# Altium PCB OZ440-SE100-CAR003.PcbDoc (part 4 of 5)
Units mm, origin at the board's own origin, x right, y up, seen from the top; angles counter-clockwise.
Board outline 187.5 x 145 mm, 6 copper layers (Top Layer, Mid-Layer 1, Mid-Layer 2, Mid-Layer 3, Mid-Layer 4, Bottom Layer), stack 1.444 mm thick; 326 components, 302 nets, 1483 pads, 1041 vias.
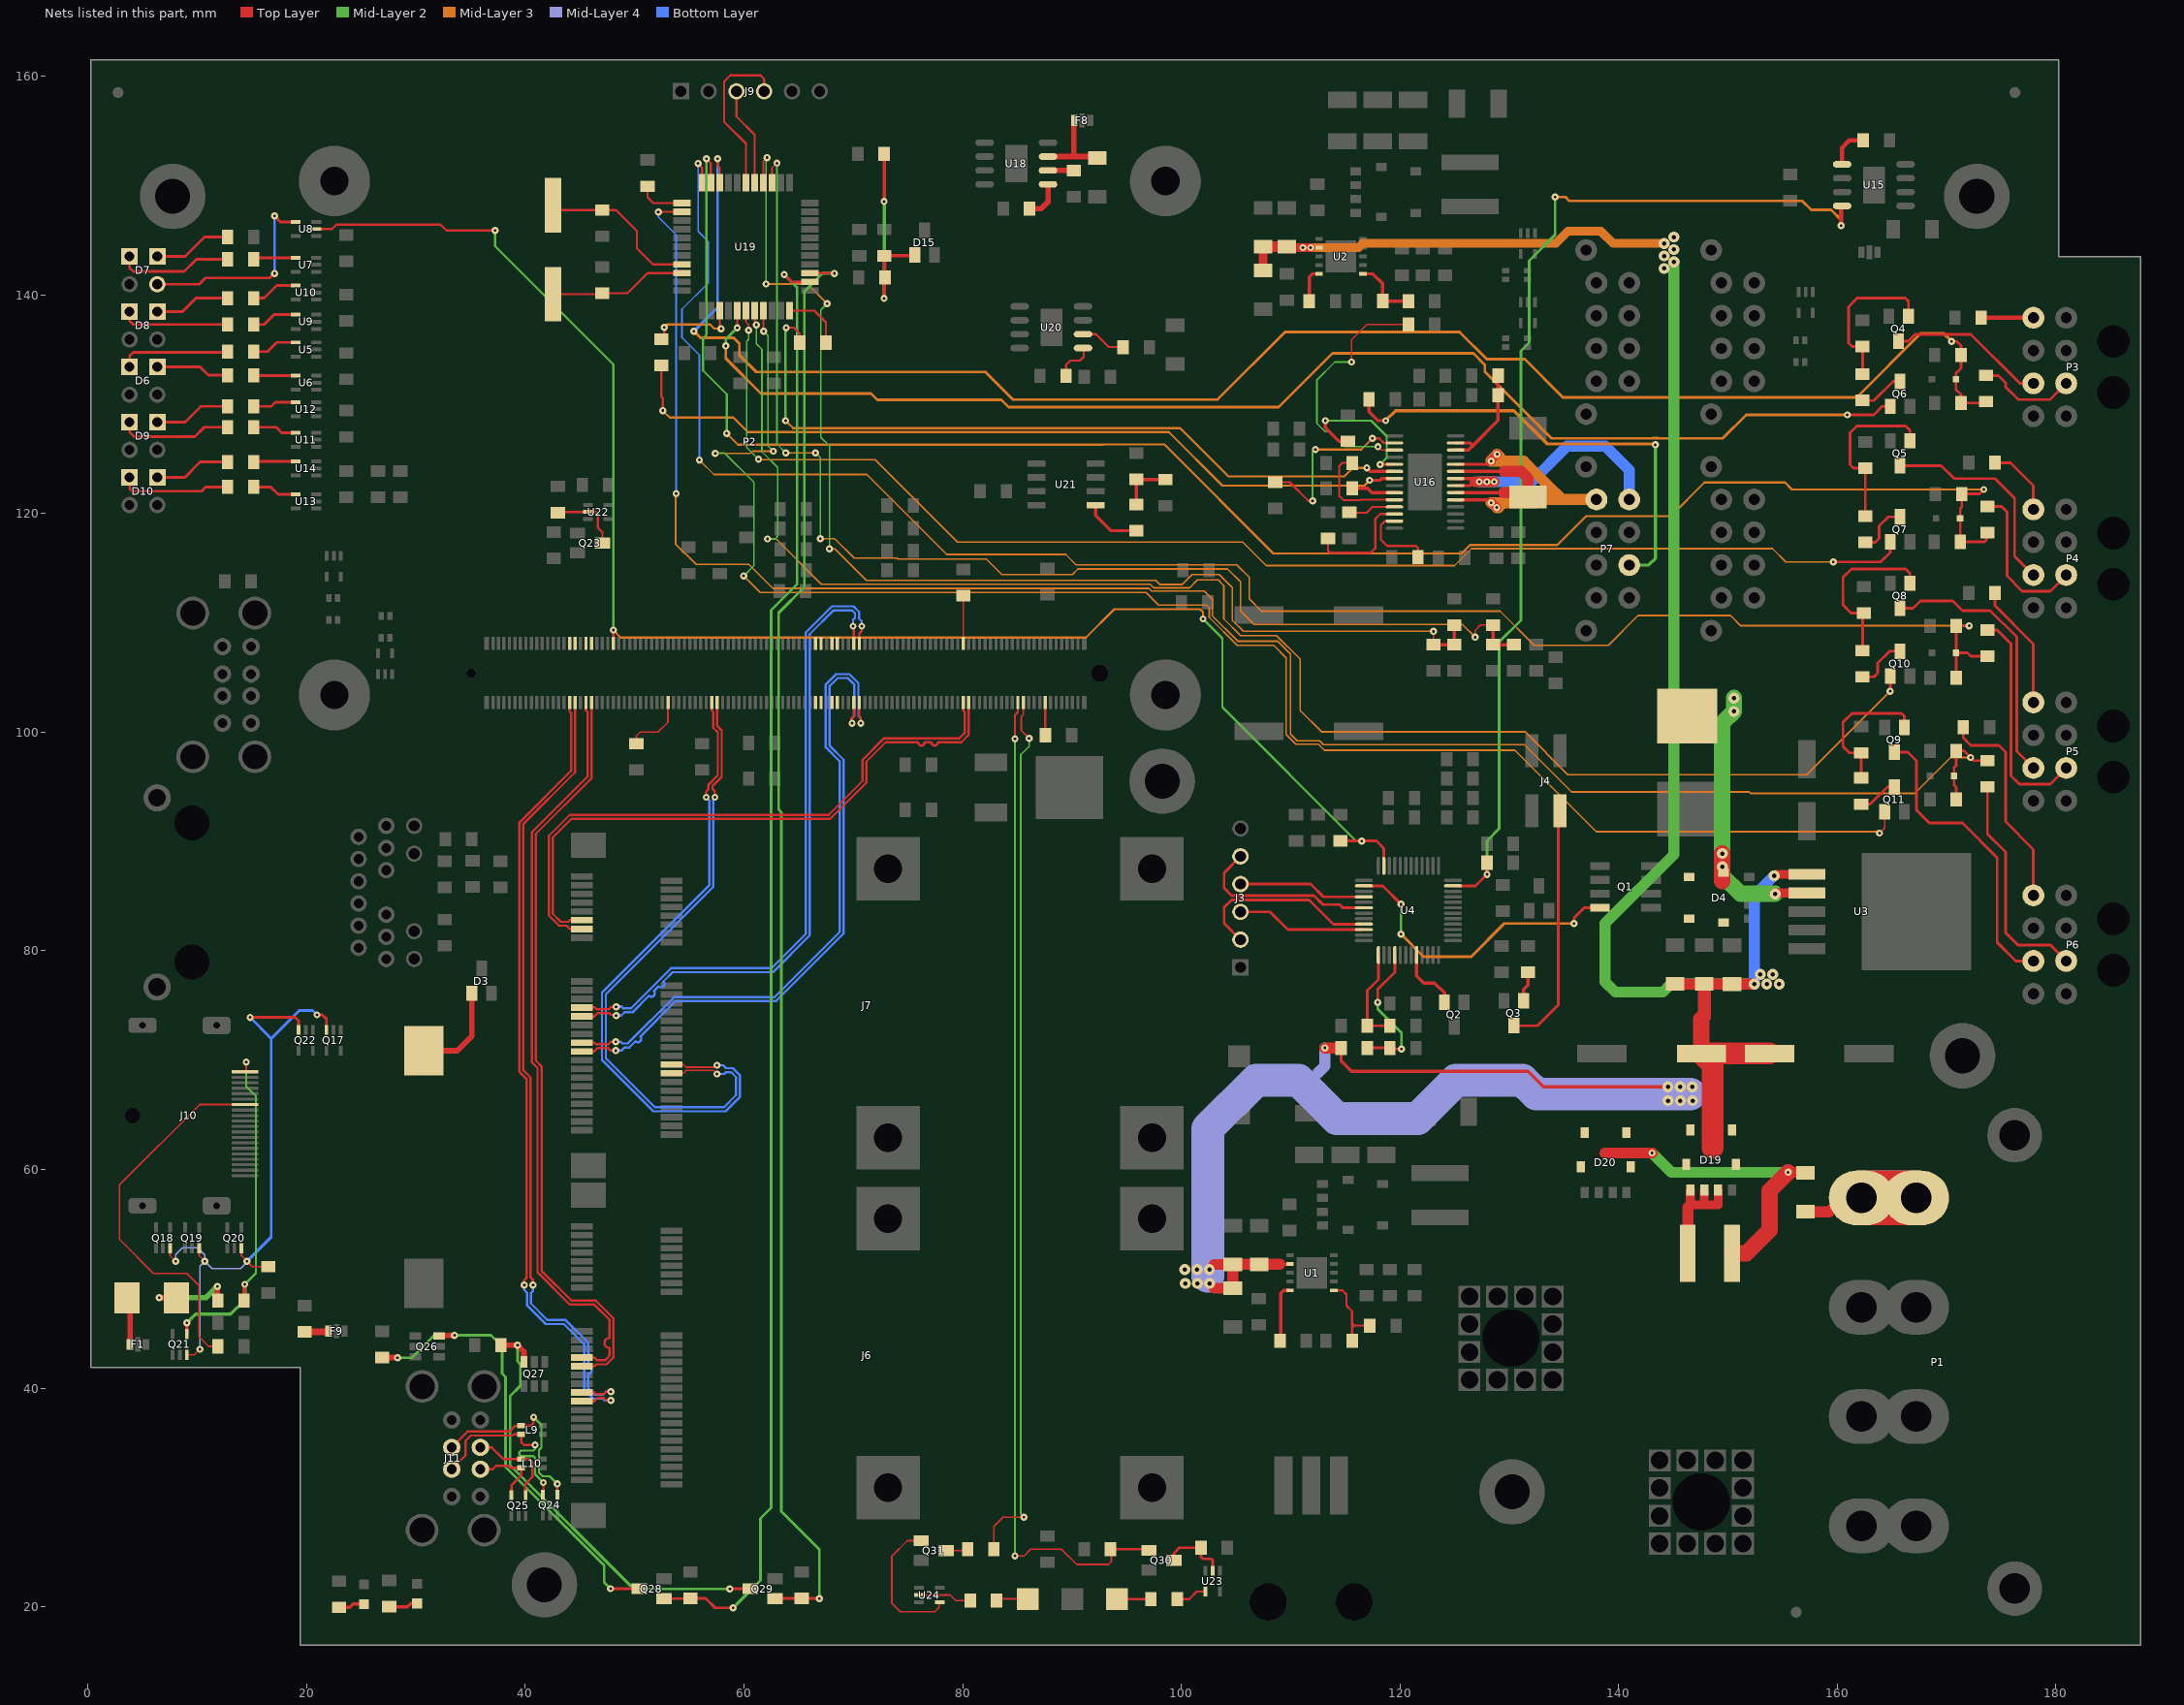
[diagram p8: the nets of this part, all layers, seen from the top]

## Via types
v1: diameter 0.65, hole 0.25, Top Layer to Bottom Layer, tented both sides, 815 vias
v2: diameter 1, hole 0.4, Top Layer to Bottom Layer, tented both sides, 222 vias
v3: diameter 1.1, hole 1.1, Top Layer to Bottom Layer, tented both sides, 2 vias
v4: diameter 1.6, hole 1.6, Top Layer to Bottom Layer, tented both sides, 2 vias

## Nets (pads, with @x,y where several pads share a name; then routed paths per layer and width w, separated by ;. In a path a pad name is that pad's centre, name@x,y a point inside that pad or via, vN(x,y) a via of type N, cw(c..) or ccw(c..) an arc to the next point about the centre after c; other vN are vias at no path point) (continued)
NetC52_2: C52.2 R77.1 R79.2 U19.15 | length 109.2
  Top Layer w0.15: U19.15@61.779,150.249 61.779,152.228 v1(62.103,152.552) ; v1(123.063,109.22) 123.064,109.219 C52.2@123.064,108.007
  Top Layer w0.3: C52.2@123.064,108.007 R79.2@124.969,108.007 R77.1@124.969,109.798
  Mid-Layer 2 w0.15: v1(62.027,140.995) 62.027,152.476 v1(62.103,152.552) ; v1(67.615,139.192) 67.031,138.608 67.031,126.975 67.818,126.187 v1(67.818,116.764)
  Mid-Layer 3 w0.15: v1(62.027,140.995) 65.811,140.995 v1(67.615,139.192) ; v1(67.818,116.764) 68.326,116.764 71.196,113.894 97.663,113.894 98.054,113.503 100.066,113.503 100.99,114.427 103.48,114.427 104.673,113.233 104.673,110.236 105.689,109.22 v1(123.063,109.22)
NetC53_2: C53.2 R78.1 R80.2 U19.14 | length 111.3
  Top Layer w0.15: U19.14@62.579,150.249 62.579,151.631 62.992,152.044 v1(63.017,152.044) ; v1(126.873,108.687) 126.873,109.296 127.375,109.798 R78.1@128.509,109.798
  Top Layer w0.3: R78.1@128.509,109.798 R80.2@128.509,108.007 C53.2@130.414,108.007
  Mid-Layer 2 w0.15: v1(63.017,152.044) 63.017,126.365 v1(63.83,125.552) ; v1(66.548,125.552) 66.98,125.12 v1(66.98,117.704)
  Mid-Layer 3 w0.15: v1(63.83,125.552) v1(66.548,125.552) ; v1(66.98,117.704) 68.301,117.704 70.079,115.926 73.99,115.926 74.066,115.849 82.169,115.849 83.591,114.427 90.043,114.427 90.551,114.935 104.216,114.935 105.41,113.741 105.41,111.1 106.655,109.855 125.705,109.855 v1(126.873,108.687)
NetC56_2: C56.2 F8.1 U18.7 | length 8
  Top Layer w0.5: U18.7@87.816,152.654 90.17,152.654 ; F8.1@90.207,155.956 90.17,155.956 90.17,152.654 ; C56.2@92.329,152.524 92.329,152.654 90.17,152.654
NetC57_2: C57.2 U18.6 | length 2.4
  Top Layer w0.5: U18.6@87.816,151.384 90.152,151.384 C57.2@90.17,151.366
NetC58_2: C58.2 U19.31 Y1.2 | length 12.6
  Top Layer w0.2: Y1.2@42.545,140.059 46.96,140.059 C58.2@47.052,140.151 49.346,140.151 51.194,141.999 U19.31@54.329,141.999
NetC59_2: C59.2 D15.1 R90.1 R91.1 | length 20
  Top Layer w0.3: v1(72.822,139.675) 72.822,141.532 C59.2@72.895,141.605 72.895,143.523 R90.1@72.838,143.58 75.556,143.58 D15.1@75.624,143.648 ; v1(72.822,148.539) 72.828,148.545 R91.1@72.828,152.908
  Mid-Layer 2 w0.3: v1(72.822,139.675) v1(72.822,148.539)
NetC60_2: C60.2 U19.30 Y1.1 | length 15
  Top Layer w0.2: Y1.1@42.545,148.209 42.996,147.758 C60.2@47.052,147.758 48.305,147.758 50.216,145.847 50.216,144.26 51.676,142.799 U19.30@54.329,142.799
NetC61_1: C61.1 U19.23 | length 4.4
  Top Layer w0.2: C61.1@51.181,149.93 51.181,148.92 51.702,148.399 U19.23@54.329,148.399
NetC65_2: C65.2 U20.6 | length 4.2
  Top Layer w0.2: U20.6@91.017,136.404 92.196,136.404 93.37,135.23 94.679,135.23 C65.2@94.685,135.223
NetD3_1: D3.1 J2.1 | length 8.8
  Top Layer w0.5: J2.1@30.734,70.866 33.782,70.866 35.117,72.201 D3.1@35.117,76.109
NetD4_5: D4.5 D4.6 D4.7 D4.8 L3.1 U3.2 | length 27.9
  Top Layer w0.8: v2(154.305,85.217) 154.227,85.295 U3.2@157.226,85.295
  Top Layer w1.5: 149.479,86.36 v2(149.479,87.681) v2(149.479,88.9)
  Mid-Layer 2 w1.5: v2(150.546,103.124) v2(150.546,101.905) 149.479,100.838 v2(149.479,88.9) v2(149.479,87.681) 149.479,86.868 151.13,85.217 v2(154.305,85.217)
NetD6_A1: D6.A1 R31.2 | length 10.1
  Top Layer w0.25: D6.A1@3.81,133.413 3.81,134.417 4.14,134.747 12.706,134.747 R31.2@12.77,134.81
NetD6_A2: D6.A2 R32.2 | length 6.7
  Top Layer w0.25: D6.A2@6.35,133.413 10.249,133.413 11.011,132.651 R32.2@12.77,132.651
NetD7_A1: D7.A1 R33.2 | length 10.6
  Top Layer w0.25: D7.A1@3.81,143.51 3.81,142.469 4.14,142.138 8.814,142.138 9.931,143.256 R33.2@12.77,143.256
NetD7_A2: D7.A2 R34.2 | length 7.2
  Top Layer w0.25: D7.A2@6.35,143.51 8.89,143.51 10.668,145.288 R34.2@12.77,145.288
NetD7_K2: D7.K2 U8.4 | length 18.6
  Top Layer w0.25: D7.K2@6.35,140.97 10.185,140.97 10.77,141.554 16.612,141.554 17.069,142.011 v1(17.069,141.961) ; v1(17.069,147.218) 17.609,146.678 U8.4@18.989,146.678
  Bottom Layer w0.25: v1(17.069,141.961) v1(17.069,147.218)
NetD8_A1: D8.A1 R35.2 | length 9.9
  Top Layer w0.25: D8.A1@3.81,138.462 3.81,137.617 4.14,137.287 R35.2@12.77,137.287
NetD8_A2: D8.A2 R36.2 | length 6.9
  Top Layer w0.25: D8.A2@6.35,138.462 8.655,138.462 9.893,139.7 R36.2@12.77,139.7
NetD9_A1: D9.A1 R37.2 | length 10.4
  Top Layer w0.25: D9.A1@3.81,128.365 3.81,127.464 4.248,127.025 9.779,127.025 10.643,127.889 R37.2@12.77,127.889
NetD9_A2: D9.A2 R38.2 | length 7
  Top Layer w0.25: D9.A2@6.35,128.365 8.884,128.365 10.312,129.794 R38.2@12.77,129.794
NetD10_A1: D10.A1 R39.2 | length 10.2
  Top Layer w0.25: D10.A1@3.81,123.317 3.81,122.289 4.052,122.047 10.389,122.047 10.77,122.428 R39.2@12.77,122.428
NetD10_A2: D10.A2 R40.2 | length 7
  Top Layer w0.25: D10.A2@6.35,123.317 8.865,123.317 10.262,124.714 R40.2@12.77,124.714
NetD16_A: D16.A F1.2 | length 4.4
  Top Layer w0.5: D16.A@3.592,48.26 3.847,48.005 F1.2@3.847,44.003
NetD16_K: D16.K F4.1 | length 8.4
  Top Layer w0.5: v1(6.528,48.285) 6.553,48.26 D16.K@8.092,48.26 ; v1(11.836,49.301) 11.836,48.235 F4.1@11.881,48.19
  Mid-Layer 2 w0.5: v1(6.528,48.285) 10.82,48.285 v1(11.836,49.301)
NetD17_1: D17.1 R109.1 | length 2.4
  Top Layer w0.3: R109.1@22.962,19.949 23.946,19.949 24.246,20.249 D17.1@25.248,20.249
NetD18_1: D18.1 R110.1 | length 2.7
  Top Layer w0.3: R110.1@27.559,20.006 29.226,20.006 29.529,20.309 D18.1@30.098,20.309
NetD19_1: D19.1 D19.2 D19.3 L11.2 | length 10.8
  Top Layer w0.8: D19.1@146.558,58.115 146.558,56.769 147.828,56.769 ; D19.2@147.828,58.115 147.828,56.769 ; D19.3@149.098,58.115 149.098,56.769 147.828,56.769
  Top Layer w1: L11.2@146.328,52.324 146.328,56.539
NetD20_5: D20.5 D20.6 D20.7 D20.8 F6.2 L11.1 | length 29.4
  Top Layer w1: 138.735,61.519 v1(143.053,61.519) ; v1(155.505,59.747) 157.039,59.747 F6.2@157.099,59.687
  Top Layer w1.5: L11.1@150.368,52.324 151.667,52.324 153.797,54.454 153.797,58.039 v1(155.505,59.747)
  Mid-Layer 2 w1: v1(143.053,61.519) 144.825,59.747 v1(155.505,59.747)
NetF4_2: F4.2 J10.20 Q21.4 | length 32
  Top Layer w0.2: J10.20@14.367,68.936 14.475,69.044 v1(14.475,69.825)
  Top Layer w0.3: Q21.4@9.047,44.953 v1(9.047,45.974) ; F4.2@14.281,48.19 14.281,49.435 v1(14.351,49.505)
  Mid-Layer 2 w0.2: v1(14.351,49.505) 15.367,50.521 15.367,66.726 14.475,67.618 v1(14.475,69.825)
  Mid-Layer 2 w0.3: v1(9.047,45.974) 9.834,46.761 13.056,46.761 14.351,48.057 v1(14.351,49.505)
NetF5_2: F5.2 F9.1 | length 2.2
  Top Layer w0.6: F5.2@19.812,45.155 21.951,45.155 F9.1@22.008,45.212
NetF6_1: F6.1 P1.1 | length 5.6
  Top Layer w1: F6.1@157.099,56.137 159.261,56.137 160.477,57.353 P1.1@162.22,57.353
NetJ3_2: J3.2 U4.21 | length 17.6
  Top Layer w0.25: J3.2@105.41,81.026 103.911,82.525 103.911,83.972 104.597,84.658 111.684,84.658 113.899,82.443 U4.21@116.702,82.443
NetJ3_3: J3.3 U4.22 | length 12
  Top Layer w0.25: J3.3@105.41,83.566 108.108,83.566 109.731,81.943 U4.22@116.702,81.943
NetJ3_4: J3.4 U4.16 | length 11.8
  Top Layer w0.25: J3.4@105.41,86.106 111.838,86.106 113.001,84.943 U4.16@116.702,84.943
NetJ3_5: J3.5 U4.18 | length 17.1
  Top Layer w0.25: J3.5@105.41,88.646 103.911,87.147 103.911,85.75 104.604,85.058 112.122,85.058 112.954,84.226 114.489,84.226 114.772,83.943 U4.18@116.702,83.943
NetJ4_4: J4.4 Q3.3 | length 22.3
  Top Layer w0.25: Q3.3@130.414,73.152 132.588,73.152 134.493,75.057 J4.4@134.493,92.526
NetJ10_14: J10.14 R102.2 | length 35.3
  Top Layer w0.15: R102.2@11.881,43.819 11.058,43.819 10.16,44.717 10.16,49.378 9.042,50.495 5.997,50.495 2.875,53.618 2.875,58.595 10.216,65.936 J10.14@14.367,65.936
NetJ11_A2: J11.A2 L10.1 Q25.4 | length 8.6
  Top Layer w0.21: J11.A2@35.894,34.584 36.917,34.584 37.973,33.528 L10.1@39.624,33.528 40.386,33.528 40.64,33.274 40.64,31.877 40.005,31.242 40.005,30.251 Q25.4@40.035,30.221
NetJ11_A3: J11.A3 L10.4 Q25.5 | length 6.8
  Top Layer w0.21: J11.A3@35.894,32.584 37.029,32.584 37.338,32.893 38.481,32.893 38.646,32.728 L10.4@39.624,32.728 39.624,32.004 38.735,31.115 Q25.5@38.735,30.221
NetJ11_B2: J11.B2 L9.1 Q24.4 | length 17.5
  Top Layer w0.21: J11.B2@33.274,34.584 34.719,36.029 38.569,36.029 39.09,36.55 L9.1@39.624,36.55 ; L9.1@39.624,36.576 40.513,36.576 40.767,36.83 v1(40.767,37.338) ; Q24.4@42.919,30.253 42.919,31.235 v1(42.926,31.242)
  Mid-Layer 2 w0.21: v1(40.767,37.338) 41.474,36.631 41.474,34.558 41.254,34.338 41.254,32.28 41.585,31.949 42.219,31.949 v1(42.926,31.242)
NetJ11_B3: J11.B3 L9.4 Q24.5 | length 17.9
  Top Layer w0.21: J11.B3@33.274,32.584 34.544,33.854 34.544,35.179 35.028,35.663 38.838,35.663 38.951,35.776 L9.4@39.624,35.776 39.624,35.052 39.878,34.798 v1(40.894,34.798) ; Q24.5@41.619,30.253 41.656,30.29 v1(41.656,31.369)
  Mid-Layer 2 w0.21: v1(40.894,34.798) 40.894,34.446 40.741,34.293 39.607,34.293 39.454,34.14 39.454,33.936 39.607,33.783 40.741,33.783 40.894,33.63 40.894,32.131 v1(41.656,31.369)
NetP2_A34: P2.A34 R2.2 | length 5.9
  Top Layer w0.15: R2.2@50.165,98.953 50.165,99.644 50.521,100 52.146,100 53.052,100.906 P2.A34@53.052,102.71
NetP2_A103: P2.A103 R3.1 | length 3
  Top Layer w0.25: P2.A103@87.552,102.71 87.552,99.747 R3.1@87.573,99.726
NetP2_B88: P2.B88 R1.2 | length 4.4
  Top Layer w0.15: P2.B88@80.052,108.11 R1.2@80.052,112.478
NetP3_2: P3.2 R49.2 | length 9.2
  Top Layer w0.25: R49.2@173.609,133.026 174.015,132.62 174.72,132.62 175.387,131.953 175.387,131.58 176.538,130.429 179.459,130.429 P3.2@180.935,131.905
NetP3_5: P3.5 R48.1 | length 4.8
  Top Layer w0.4: R48.1@173.158,137.905 P3.5@177.935,137.905
NetP4_2: P4.2 R54.2 | length 14.4
  Top Layer w0.25: R54.2@173.736,120.643 175.013,120.643 175.514,120.142 175.514,114.3 176.911,112.903 179.459,112.903 P4.2@180.935,114.379
NetP4_5: P4.5 R53.1 | length 6.5
  Top Layer w0.25: R53.1@174.428,124.65 175.832,124.65 177.935,122.547 P4.5@177.935,120.379
NetP5_2: P5.2 R59.2 | length 20.7
  Top Layer w0.25: R59.2@173.736,109.35 174.625,109.35 175.895,108.08 175.895,96.012 176.657,95.25 179.459,95.25 P5.2@180.935,96.726
NetP5_5: P5.5 R58.1 | length 11.5
  Top Layer w0.25: R58.1@174.428,112.726 174.428,111.576 177.935,108.069 P5.5@177.935,102.726
NetP6_2: P6.2 R62.2 | length 20.6
  Top Layer w0.25: R62.2@173.736,94.999 173.736,90.678 175.387,89.027 175.387,81.661 176.53,80.518 179.49,80.518 P6.2@180.935,79.073
NetP6_5: P6.5 R61.1 | length 19.5
  Top Layer w0.25: R61.1@171.52,100.455 171.52,99.5 172.214,98.806 174.759,98.806 175.387,98.178 175.387,91.821 177.935,89.273 P6.5@177.935,85.073
NetP7_1: P7.1 U16.7 U16.8 | length 24.2
  Top Layer w0.3: U16.7@125.095,122.558 126.444,122.558 126.822,122.936 126.55,123.208 U16.8@125.095,123.208
  Top Layer w1: 126.848,122.911 v1(127.254,122.911) v1(127.94,122.911) v1(128.626,122.911)
  Bottom Layer w1: v1(127.254,122.911) v1(127.94,122.911) v1(128.626,122.911) 132.029,122.911 135.28,126.162 138.786,126.162 140.97,123.977 P7.1@140.97,121.285
NetP7_3: P7.3 R75.2 | length 42.4
  Top Layer w0.3: R75.2@117.17,130.437 117.17,129.312 117.983,128.499 v1(118.694,128.499)
  Mid-Layer 2 w0.3: P7.3@140.97,115.285 142.742,115.285 143.358,115.9 v1(143.358,126.289)
  Mid-Layer 3 w0.3: v1(118.694,128.499) 119.609,129.413 130.429,129.413 133.477,126.365 143.281,126.365 v1(143.358,126.289)
NetP7_5: P7.5 U16.5 U16.10 | length 31.6
  Top Layer w0.3: U16.5@125.095,121.258 128.068,121.258 v1(128.346,120.98) ; U16.10@125.095,124.508 128.068,124.508 v1(128.346,124.786)
  Top Layer w0.8: v1(128.346,120.98) 128.422,120.98 v1(128.854,120.548) ; v1(128.346,124.786) 128.346,124.892 v1(128.88,125.425)
  Mid-Layer 3 w1: v1(128.346,120.98) v1@128.422,120.98 ; P7.5@137.97,121.285 134.823,121.285 ; v1@128.422,120.98 v1(128.854,120.548) 129.032,120.548 129.464,120.98 ; v1@128.422,120.98 129.464,120.98 ; 129.464,120.98 132.334,120.98 132.639,121.285 ; 129.519,124.786 v1(128.88,125.425) 128.346,124.892 v1(128.346,124.786) 129.519,124.786 ; 129.519,124.786 131.322,124.786 133.375,122.733 ; 132.639,121.285 133.325,121.285 ; 132.639,121.285 133.325,121.971 ; 133.325,121.285 134.823,121.285 ; 133.325,121.285 133.325,121.971 ; 133.325,121.971 133.325,122.682 133.375,122.733 ; 133.375,122.733 134.823,121.285
NetQ1_4: Q1.4 U4.14 | length 28
  Top Layer w0.25: U4.14@116.702,85.943 118.425,85.943 v1(120.091,84.277) ; v1(135.915,82.499) 135.915,83.007 136.855,83.947 Q1.4@138.291,83.947
  Mid-Layer 2 w0.25: v1(120.091,81.534) v1(120.091,84.277)
  Mid-Layer 3 w0.25: v1(120.091,81.534) 122.149,79.477 126.517,79.477 129.54,82.499 v1(135.915,82.499)
NetQ2_2: Q2.2 U4.32 | length 6
  Top Layer w0.3: U4.32@121.527,79.618 121.527,77.711 122.174,77.064 123.165,77.064 124.068,76.16 Q2.2@124.068,75.3
NetQ3_1: Q3.1 R30.1 | length 2.8
  Top Layer w0.3: Q3.1@131.314,75.427 131.314,76.469 131.71,76.865 R30.1@131.71,78.054
NetQ4_1: Q4.1 R44.1 R46.2 | length 14.6
  Top Layer w0.25: R46.2@162.306,132.74 R44.1@162.306,135.268 161.353,135.268 161.036,135.585 161.036,138.923 161.813,139.7 166.228,139.7 166.508,139.42 Q4.1@166.508,138.038
NetQ5_1: Q5.1 R45.1 R47.2 | length 15.7
  Top Layer w0.25: R47.2@162.56,119.754 R45.1@162.56,124.155 161.468,124.155 161.163,124.46 161.163,127.381 161.798,128.016 166.243,128.016 166.635,127.624 Q5.1@166.635,126.654
NetQ6_3: Q6.3 R46.1 | length 4.1
  Top Layer w0.25: R46.1@162.306,130.34 163.36,130.34 165.1,132.08 Q6.3@165.735,132.08
NetQ7_3: Q7.3 R47.1 | length 4.8
  Top Layer w0.25: R47.1@162.56,117.354 163.455,117.354 163.83,117.729 163.83,118.872 164.655,119.697 Q7.3@165.735,119.697
NetQ8_1: Q8.1 R51.1 R55.2 | length 15.6
  Top Layer w0.25: R55.2@162.306,107.466 R51.1@162.306,110.781 ; R51.1@162.433,110.908 161.253,110.908 160.528,111.633 160.528,114.173 161.29,114.935 166.243,114.935 166.635,114.543 Q8.1@166.635,113.621
NetQ9_1: Q9.1 R52.1 R56.2 | length 13.5
  Top Layer w0.25: R56.2@162.179,95.813 R52.1@162.179,98.112 161.095,98.112 160.528,98.679 160.528,100.908 161.347,101.727 165.873,101.727 166.127,101.473 Q9.1@166.127,100.444
NetQ10_3: Q10.3 R55.1 | length 4.9
  Top Layer w0.25: R55.1@162.306,105.066 163.359,105.066 163.703,105.41 163.703,106.315 164.797,107.409 Q10.3@165.735,107.409
NetQ11_3: Q11.3 R56.1 | length 3.7
  Top Layer w0.25: R56.1@162.179,93.413 163.009,93.413 164.59,94.994 Q11.3@165.227,94.994
NetQ23_3: Q23.3 R103.1 U22.2 | length 6.5
  Top Layer w0.2: R103.1@43.045,120.142 U22.2@45.721,120.142 46.507,120.142 46.634,120.015 46.634,118.694 47.052,118.277 Q23.3@47.052,117.302
NetQ26_3: Q26.3 Q28.3 R107.1 | length 42.5
  Top Layer w0.25: v1(47.803,21.666) 50.415,21.666 Q28.3@50.424,21.657
  Top Layer w0.5: R107.1@26.924,42.803 28.304,42.803 v1(28.321,42.786) ; Q26.3@32.131,44.769 32.193,44.831 v1(33.528,44.831)
  Mid-Layer 2 w0.25: v1(28.321,42.786) 29.644,42.786 31.689,44.831 v1(33.528,44.831) 36.855,44.831 37.897,43.79 37.897,41.351 38.208,41.04 38.208,32.785 47.219,23.774 47.219,22.25 v1(47.803,21.666)
NetQ27_3: Q27.3 Q29.3 R108.1 | length 41.4
  Top Layer w0.25: v1(58.709,21.641) 58.725,21.657 Q29.3@60.579,21.657
  Top Layer w0.5: R108.1@37.776,43.942 v1(39.29,43.942) 39.883,43.349 Q27.3@39.883,42.403
  Mid-Layer 2 w0.25: v1(39.29,43.942) 39.29,42.448 39.548,42.189 39.548,40.208 38.608,39.268 38.608,32.951 49.918,21.641 v1(58.709,21.641)
NetQ28_1: Q28.1 R111.2 U19.2 | length 134.2
  Top Layer w0.25: Q28.1@52.699,20.757 55.093,20.757 R111.2@55.118,20.782 56.494,20.782 57.363,19.914 v1(59.004,19.914) ; v1(63.678,141.859) 64.338,141.199 U19.2@66.029,141.199
  Mid-Layer 2 w0.25: v1(59.004,19.914) 61.519,22.428 61.519,28.092 62.484,29.058 62.484,111.157 64.853,113.526 64.853,140.684 v1(63.678,141.859)
NetQ29_1: Q29.1 R112.2 U19.3 | length 131.8
  Top Layer w0.25: Q29.1@62.879,20.782 R112.2@65.278,20.782 66.879,20.782 v1(66.904,20.757) ; U19.3@66.029,141.999 68.237,141.999 v1(68.275,141.961)
  Mid-Layer 2 w0.25: v1(66.904,20.757) 66.904,25.248 63.424,28.727 63.424,92.685 63.17,92.939 63.17,110.922 65.532,113.284 65.532,140.31 67.183,141.961 v1(68.275,141.961)
NetQ30_3: Q30.3 R100.1 U23.2 | length 6.3
  Top Layer w0.25: Q30.3@99.314,24.257 99.314,24.892 99.822,25.4 R100.1@101.797,25.4 101.797,24.568 101.981,24.384 102.743,24.384 102.87,24.257 U23.2@102.87,23.302
NetQ31_1: Q31.1 U24.4 | length 12.9
  Top Layer w0.15: Q31.1@76.211,26.046 74.941,26.046 73.533,24.638 73.533,20.32 74.295,19.558 77.47,19.558 77.851,19.939 77.851,20.371 U24.4@77.912,20.432
NetQ31_3: Q31.3 R115.1 | length 2
  Top Layer w0.15: Q31.3@78.486,25.146 80.334,25.146 R115.1@80.461,25.273
NetR4_1: R4.1 R5.2 U1.6 | length 8.1
  Top Layer w0.2: U1.6@113.944,48.946 114.732,48.946 115.113,48.565 115.113,47.549 115.613,47.049 115.613,45.974 ; R5.2@115.627,44.323 115.613,44.337 115.613,45.484 ; R4.1@117.248,45.72 115.849,45.72 ; 115.613,45.484 115.613,45.72 ; 115.613,45.484 115.849,45.72 ; 115.613,45.72 115.849,45.72 ; 115.613,45.72 115.613,45.974 ; 115.613,45.974 115.849,45.738 115.849,45.72
NetR6_1: R6.1 U1.5 | length 5.3
  Top Layer w0.3: R6.1@109.093,44.323 109.093,48.692 109.347,48.946 U1.5@109.944,48.946
NetR8_1: R8.1 R9.2 U2.6 | length 6.1
  Top Layer w0.3: U2.6@116.605,141.921 117.54,141.921 118.421,141.04 R9.2@118.421,139.446 118.436,139.431 R8.1@120.771,139.431
NetR10_1: R10.1 U2.5 | length 3.2
  Top Layer w0.3: R10.1@111.703,139.431 111.703,141.624 112,141.921 U2.5@112.605,141.921
NetR19_1: R19.1 R24.2 U4.28 | length 13.3
  Top Layer w0.25: R19.1@117.017,71.12 R24.2@119.069,71.12 119.171,71.018 v1(120.142,71.018) ; v1(117.971,75.286) 117.971,76.492 119.527,78.049 U4.28@119.527,79.618
  Mid-Layer 2 w0.25: v1(117.971,75.286) 117.971,74.688 120.142,72.517 v1(120.142,71.018)
NetR20_1: R20.1 R25.2 U4.25 | length 8.9
  Top Layer w0.25: U4.25@118.027,79.618 118.027,77.387 117.017,76.377 R20.1@117.017,73.152 R25.2@119.069,73.152
NetR31_1: R31.1 U5.4 | length 4.2
  Top Layer w0.25: R31.1@15.17,134.81 16.421,134.81 17.262,135.651 U5.4@18.989,135.651
NetR32_1: R32.1 U6.4 | length 3.8
  Top Layer w0.25: R32.1@15.17,132.651 15.202,132.62 U6.4@18.989,132.62
NetR33_1: R33.1 U7.4 | length 3.9
  Top Layer w0.25: R33.1@15.17,143.256 15.312,143.398 U7.4@18.989,143.398
NetR35_1: R35.1 U9.4 | length 4.2
  Top Layer w0.25: R35.1@15.17,137.287 16.129,137.287 17.033,138.191 U9.4@18.989,138.191
NetR36_1: R36.1 U10.4 | length 4.3
  Top Layer w0.25: R36.1@15.17,139.7 16.104,139.7 17.262,140.858 U10.4@18.989,140.858
NetR37_1: R37.1 U11.4 | length 4
  Top Layer w0.25: R37.1@15.17,127.889 17.221,127.889 17.714,127.396 U11.4@18.989,127.396
NetR38_1: R38.1 U12.4 | length 4
  Top Layer w0.25: R38.1@15.17,129.794 16.739,129.794 17.135,130.19 U12.4@18.989,130.19
NetR39_1: R39.1 U13.4 | length 4.1
  Top Layer w0.25: R39.1@15.17,122.428 16.713,122.428 17.39,121.751 U13.4@18.989,121.751
NetR40_1: R40.1 U14.4 | length 3.8
  Top Layer w0.25: R40.1@15.17,124.714 15.225,124.769 U14.4@18.989,124.769
NetR42_2: R42.2 U4.47 U15.8 | length 98.6
  Top Layer w0.25: U4.47@124.852,85.943 126.913,85.943 v1(127.959,86.989) R42.2@127.959,88.068
  Top Layer w0.4: v1@160.331,146.329 160.331,148.022 U15.8@160.443,148.134
  Mid-Layer 2 w0.25: v1(127.959,86.989) 127.959,90.062 129.083,91.186 129.083,108.255 131.064,110.236 131.064,134.874 131.826,135.636 131.826,143.129 134.188,145.491 v1(134.188,148.946)
  Mid-Layer 3 w0.25: v1(134.188,148.946) 135.128,148.946 135.484,148.59 156.794,148.59 157.607,147.777 159.436,147.777 160.35,146.863 v1(160.35,146.329)
NetR43_2: R43.2 U15.5 | length 3.7
  Top Layer w0.4: U15.5@160.443,151.944 160.443,153.458 161.112,154.127 R43.2@162.376,154.127
NetR66_2: R66.2 R67.2 U16.12 U16.13 | length 10.8
  Top Layer w0.3: U16.12@125.095,125.808 126.265,125.808 126.644,126.187 ; U16.13@125.095,126.458 126.374,126.458 126.644,126.187 ; R66.2@128.968,132.609 R67.2@128.968,130.825 128.968,128.511 126.644,126.187
NetR68_2: R68.2 U16.23 | length 4
  Top Layer w0.3: R68.2@115.633,122.309 117.035,122.309 117.436,121.908 U16.23@119.495,121.908
NetR69_2: R69.2 U16.24 | length 9.3
  Top Layer w0.2: R69.2@115.633,124.627 114.721,124.627 114.452,124.358 114.452,121.589 114.807,121.234 116.383,121.234 116.407,121.258 U16.24@119.495,121.258
NetR70_2: R70.2 U16.25 | length 4.4
  Top Layer w0.21: R70.2@115.366,120.124 115.424,120.066 116.942,120.066 117.484,120.608 U16.25@119.495,120.608
NetR71_2: R71.2 U16.26 | length 10.3
  Top Layer w0.21: R71.2@113.417,117.724 113.417,116.625 113.64,116.402 117.316,116.402 117.729,116.815 117.729,119.501 118.186,119.958 U16.26@119.495,119.958
NetR72_2: R72.2 U16.27 | length 7.2
  Top Layer w0.2: U16.27@119.495,119.308 118.622,119.308 118.262,118.948 118.262,117.608 118.827,117.043 121.463,117.043 121.647,116.859 R72.2@121.647,116.027
NetR73_2: R73.2 U16.6 U16.9 | length 14.8
  Top Layer w0.3: U16.6@125.095,121.908 129.475,121.908 ; U16.9@125.095,123.858 129.514,123.858
  Top Layer w1: 129.475,121.908 R73.2@131.315,121.908 ; 129.514,123.858 131.06,123.858 131.71,123.208 R73.2@131.71,121.513
NetR74_2: R74.2 U16.19 | length 13.6
  Top Layer w0.3: v1(113.182,128.499) 113.182,127.864 114.44,126.606 R74.2@115.239,126.606 ; v1(118.186,124.485) U16.19@119.495,124.508
  Mid-Layer 2 w0.2: v1(113.182,128.499) 117.373,128.499 118.796,127.076 118.796,125.095 v1(118.186,124.485)
NetR83_1: R83.1 U19.36 | length 8.4
  Top Layer w0.2: R83.1@52.451,135.947 52.705,136.201 v1(52.705,137.033) ; U19.36@57.779,138.549 57.779,137.039 v1(57.912,136.906)
  Mid-Layer 3 w0.2: v1(52.705,137.033) 52.959,137.287 56.896,137.287 57.277,136.906 v1(57.912,136.906)
NetR83_2: R83.2 U16.21 | length 74.2
  Top Layer w0.2: R83.2@52.451,133.547 52.451,130.683 52.578,130.556 v1(52.578,129.413)
  Top Layer w0.3: v1(117.221,123.038) 118.161,123.038 118.331,123.208 U16.21@119.495,123.208
  Mid-Layer 3 w0.2: v1(52.578,129.413) 53.213,128.778 59.03,128.778 60.358,127.45 98.864,127.45 103.759,122.555 116.738,122.555 v1(117.221,123.038)
NetR84_1: R84.1 U19.44 | length 5.6
  Top Layer w0.2: U19.44@64.179,138.549 66.429,138.549 67.494,137.484 R84.1@67.494,135.636
NetR84_2: R84.2 U16.20 | length 69
  Top Layer w0.2: v1(63.856,136.994) 64.555,136.994 65.094,136.455 R84.2@65.094,135.636
  Top Layer w0.3: v1@116.967,124.147 117.256,123.858 U16.20@119.495,123.858
  Mid-Layer 2 w0.2: v1(63.805,128.499) v1@63.805,136.944
  Mid-Layer 3 w0.2: v1(63.805,128.499) 64.503,127.8 99.911,127.8 104.323,123.388 114.91,123.388 115.703,124.181 v1(116.967,124.181)
NetR85_2: R85.2 U16.17 | length 23.7
  Top Layer w0.15: v1(115.57,133.858) 115.57,135.89 116.967,137.287 R85.2@120.771,137.287 ; v1(117.983,126.111) 118.286,125.808 U16.17@119.495,125.808
  Mid-Layer 2 w0.15: v1(115.57,133.858) 114.046,133.858 112.395,132.207 112.395,128.27 113.157,127.508 113.538,127.508 114.935,126.111 v1(117.983,126.111)
NetR86_2: R86.2 U18.5 | length 3.6
  Top Layer w0.5: R86.2@86.116,147.891 87.185,147.891 87.816,148.522 U18.5@87.816,150.114
NetR88_2: R88.2 U16.16 | length 16.8
  Top Layer w0.2: R88.2@108.585,122.866 109.925,122.866 111.633,121.158 v1(112.014,121.158) ; v1(117.475,126.873) 118.11,126.873 118.525,126.458 U16.16@119.495,126.458
  Mid-Layer 2 w0.2: v1(112.014,121.158) 112.014,125.603 v1(112.268,125.857)
  Mid-Layer 3 w0.2: v1(112.268,125.857) 116.459,125.857 v1(117.475,126.873)
NetR96_2: R96.2 U20.5 | length 3.7
  Top Layer w0.2: R96.2@89.465,132.594 89.465,133.585 89.865,133.985 90.718,133.985 91.084,134.351 91.084,135.067 U20.5@91.017,135.134
NetR97_1: R97.1 R98.2 R99.2 | length 5
  Top Layer w0.3: R98.2@95.885,120.834 R97.1@95.885,123.133 95.91,123.108 R99.2@98.552,123.108
NetR98_1: R98.1 U21.5 | length 5.3
  Top Layer w0.3: U21.5@92.155,120.765 92.155,119.808 93.529,118.434 R98.1@95.885,118.434
NetR105_1: R105.1 U23.4 | length 2.9
  Top Layer w0.2: R105.1@99.625,20.701 100.711,20.701 101.412,21.402 U23.4@102.22,21.402
NetR105_2: R105.2 TX.1 | length 3.1
  Top Layer w0.2: TX.1@94.107,20.723 94.129,20.701 R105.2@97.225,20.701
NetR114_1: R114.1 U24.2 | length 4.9
  Top Layer w0.15: U24.2@76.012,21.082 78.867,21.082 79.375,20.574 R114.1@80.715,20.574
NetR114_2: R114.2 RX.1 | length 2.9
  Top Layer w0.2: R114.2@83.115,20.574 83.264,20.723 RX.1@85.979,20.723
OUT1: P3.7 Q4.3 | length 14.5
  Top Layer w0.25: Q4.3@165.608,135.763 166.497,135.763 167.132,136.398 172.212,136.398 176.705,131.905 P3.7@177.935,131.905
OUT1_CMD: Q6.1 U19.38 | length 120
  Top Layer w0.15: U19.38@59.379,138.549 59.379,136.994 v1(59.385,136.988)
  Top Layer w0.25: v1(160.909,129.032) 163.322,129.032 164.095,129.805 Q6.1@164.835,129.805
  Mid-Layer 2 w0.25: v1(58.344,135.331) 58.344,135.947 v1(59.385,136.988)
  Mid-Layer 3 w0.25: v1(58.344,135.331) 58.344,134.188 61.57,130.962 71.628,130.962 72.187,130.404 83.541,130.404 84.201,129.743 108.909,129.743 113.811,134.645 126.721,134.645 127.762,133.604 127.762,132.969 133.856,126.875 143.095,126.875 143.109,126.889 143.606,126.889 143.62,126.875 149.506,126.875 151.663,129.032 v1(160.909,129.032)
OUT2: P4.7 Q5.3 | length 19.4
  Top Layer w0.25: Q5.3@165.735,124.379 169.499,124.379 170.688,123.19 174.428,123.19 176.22,121.398 176.22,116.094 P4.7@177.935,114.379
OUT2_CMD: Q7.1 U19.39 | length 124.3
  Top Layer w0.15: U19.39@60.179,138.549 60.179,137.509 60.427,137.262 v1(60.427,136.754) v1@60.427,136.652
  Top Layer w0.25: v1(159.639,115.57) 163.968,115.57 164.835,116.437 Q7.1@164.835,117.422
  Mid-Layer 2 w0.15: v1(60.427,136.754) 60.427,135.915 60.249,135.738 60.249,126.06 v1(61.341,124.968)
  Mid-Layer 3 w0.15: v1(61.341,124.968) 61.392,124.917 72.009,124.917 79.536,117.39 105.622,117.39 107.772,115.24 124.993,115.24 126.543,116.789 154.076,116.789 155.296,115.57 v1(159.639,115.57)
OUT3: P5.7 Q8.3 | length 24.9
  Top Layer w0.25: Q8.3@165.735,111.346 166.915,111.346 167.583,112.014 170.561,112.014 171.45,111.125 173.99,111.125 176.403,108.712 176.403,98.258 P5.7@177.935,96.726
OUT3_CMD: Q10.1 U19.40 | length 143.8
  Top Layer w0.15: U19.40@60.979,138.549 60.979,137.598 61.138,137.439 v1(61.138,137.262)
  Top Layer w0.25: v1(164.835,103.748) Q10.1@164.835,105.134
  Mid-Layer 2 w0.15: v1(61.138,137.262) 61.138,135.534 61.646,135.026 61.646,125.654 63.094,124.206 63.094,117.932 62.84,117.678 v1(62.154,117.678)
  Mid-Layer 3 w0.15: v1(62.154,117.678) 62.941,117.678 67.08,113.539 97.154,113.539 97.49,113.203 100.757,113.203 101.473,113.919 103.378,113.919 103.886,113.411 103.886,110.363 105.41,108.839 108.712,108.839 110.871,106.68 110.871,101.981 112.81,100.042 131.428,100.042 135.357,96.114 157.201,96.114 v1(164.835,103.748)
OUT4: P6.7 Q9.3 | length 27.8
  Top Layer w0.25: Q9.3@165.227,98.169 166.44,98.169 167.226,97.383 167.226,92.879 168.411,91.694 171.441,91.694 174.625,88.51 174.625,80.772 176.324,79.073 P6.7@177.935,79.073
OUT4_CMD: Q11.1 U19.41 | length 152.8
  Top Layer w0.15: U19.41@61.779,138.549 61.779,136.633 61.798,136.652 v1(61.798,136.677) ; v1(163.855,90.765) 164.327,91.237 Q11.1@164.327,92.719
  Mid-Layer 2 w0.15: v1(57.379,125.501) 57.328,125.552 58.217,125.552 60.909,122.86 60.909,115.24 v1(59.969,114.3) ; v1(61.798,136.677) 62.205,136.271 62.205,126.187 v1(62.687,125.705)
  Mid-Layer 3 w0.15: v1(57.379,125.501) 60.579,125.501 60.782,125.705 v1(62.687,125.705) ; v1(59.969,114.3) 61.493,112.776 96.774,112.776 97.917,111.633 102.302,111.633 102.556,111.379 102.556,110.501 105.108,107.95 108.458,107.95 109.601,106.807 109.601,99.779 110.477,98.902 112.537,98.902 113.09,98.349 130.505,98.349 137.959,90.895 163.726,90.895 v1(163.855,90.765)
PCIE_CLK_REF_N: J7.11 P2.A89 | length 56.7
  Top Layer w0.21: J7.11@45.176,82.803 44.069,82.803 43.923,82.658 43.242,82.658 42.52,83.381 42.52,90.373 44.221,92.075 67.895,92.075 71.201,95.38 71.201,97.311 72.975,99.085 75.919,99.085 ccw(c76.224,99.085) 76.529,99.085 77.139,99.085 ccw(c77.444,99.085) 77.749,99.085 79.883,99.085 80.557,99.759 80.557,101.993 80.552,101.998 P2.A89@80.552,102.71
PCIE_CLK_REF_P: J7.13 P2.A88 | length 56.7
  Top Layer w0.21: J7.13@45.176,82.003 44.069,82.003 43.774,82.298 43.093,82.298 42.16,83.232 42.16,90.522 44.072,92.435 67.746,92.435 70.841,95.529 70.841,97.46 72.826,99.445 79.71,99.445 80.197,99.933 80.197,101.843 80.052,101.988 P2.A88@80.052,102.71
PCIE_RX0_N: J7.23 P2.B69 | length 60.3
  Top Layer w0.21: J7.23@45.176,74.844 46.336,74.844 46.522,74.658 47.652,74.658 47.872,74.878 v1(48.311,74.878) ; P2.B69@70.552,108.11 70.552,108.812 70.557,108.817 70.557,109.027 70.777,109.247 v1(70.777,109.703)
  Bottom Layer w0.21: v1(48.311,74.878) 48.339,74.906 48.796,74.906 48.968,74.733 49.657,74.733 53.334,78.41 62.509,78.41 65.659,81.559 65.659,109.119 68.05,111.51 70.023,111.51 70.536,110.998 70.536,110.388 70.777,110.147 v1(70.777,109.703)
PCIE_RX0_P: J7.25 P2.B68 | length 60.2
  Top Layer w0.21: J7.25@45.176,74.003 46.304,74.003 46.599,74.298 47.69,74.298 47.843,74.146 v1@48.311,74.146 ; P2.B68@70.052,108.11 v1@70.052,109.628
  Bottom Layer w0.21: v1(48.311,74.078) 48.775,74.078 49.07,74.373 49.806,74.373 51.326,75.893 ccw(c51.542,76.109) 51.758,76.324 52.189,76.756 ccw(c52.405,76.971) 52.62,77.187 53.483,78.05 62.659,78.05 66.019,81.41 66.019,108.97 68.199,111.15 69.872,111.15 70.155,110.868 70.155,110.465 69.977,110.287 v1(69.977,109.703)
PCIE_RX1_N: P2.B65
PCIE_RX1_P: P2.B64
PCIE_RX2_N: P2.B62
PCIE_RX2_P: P2.B61
PCIE_TX0_N: J7.31 P2.A69 | length 60.5
  Top Layer w0.21: J7.31@45.19,71.617 46.29,71.617 46.449,71.458 47.607,71.458 47.827,71.678 v1(48.285,71.678) ; P2.A69@70.528,102.586 70.528,101.43 70.684,101.274 v1(70.684,100.823)
  Bottom Layer w0.21: v1(48.285,71.678) 48.736,71.678 48.887,71.527 49.372,71.527 53.613,75.768 62.789,75.768 68.753,81.733 68.753,97.337 67.483,98.607 67.483,104.365 68.431,105.313 69.644,105.313 70.464,104.492 70.464,101.494 70.684,101.274 v1(70.684,100.823)
PCIE_TX0_P: J7.33 P2.A68 | length 60.5
  Top Layer w0.21: J7.33@45.176,70.803 46.304,70.803 46.599,71.098 47.596,71.098 47.816,70.878 v1(48.285,70.878) ; v1(69.884,100.823) 69.884,101.278 70.052,101.446 P2.A68@70.052,102.71
  Bottom Layer w0.21: v1@48.289,70.875 48.797,70.875 49.089,71.167 49.521,71.167 50.082,71.729 ccw(c50.298,71.944) 50.514,72.16 53.762,75.408 62.938,75.408 69.113,81.584 69.113,97.486 67.843,98.756 67.843,104.216 68.58,104.953 69.494,104.953 70.104,104.343 70.104,101.498 69.884,101.278 v1(69.884,100.823)
PCIE_TX1_N: P2.A65
PCIE_TX1_P: P2.A64
PCIE_TX2_N: P2.A62
PCIE_TX2_P: P2.A61
PCIE_USB_N: J7.36 P2.A42 | length 61.4
  Top Layer w0.15: J7.36@53.376,69.603 54.457,69.603 54.699,69.361 57.33,69.361 57.343,69.349 v1(57.531,69.536)
  Top Layer w0.21: v1(56.549,94.056) 56.549,94.588 56.759,94.798 56.759,95.21 57.607,96.059 57.607,100.004 57.197,100.414 57.197,101.843 57.052,101.988 P2.A42@57.052,102.71
  Bottom Layer w0.21: v1(56.549,94.056) 56.549,94.036 56.844,93.741 56.844,86.018 47.012,76.186 47.012,70.034 51.717,65.329 58.315,65.329 59.638,66.652 59.638,68.604 58.974,69.268 58.367,69.268 58.099,69.536 v1(57.531,69.536)
PCIE_USB_P: J7.38 P2.A43 | length 59.6
  Top Layer w0.15: J7.38@53.376,68.803 54.457,68.803 54.716,69.061 57.206,69.061 v1(57.531,68.736)
  Top Layer w0.21: v1(57.349,94.056) 57.349,94.567 57.119,94.798 57.119,95.061 57.967,95.91 57.967,100.153 57.557,100.563 57.557,101.993 57.552,101.998 P2.A43@57.552,102.71
  Bottom Layer w0.21: v1(57.349,94.056) 57.194,93.901 57.204,93.89 57.204,85.869 47.372,76.037 47.372,70.183 51.866,65.689 58.166,65.689 59.278,66.802 59.278,68.455 58.825,68.908 58.367,68.908 58.195,68.736 v1(57.531,68.736)
POWER_IN: C1.1 C2.1 C3.1 C12.1 C13.1 C14.1 C23.2 C24.2 C25.2 C76.1 C77.1 D19.5 D19.6 D19.7 D19.8 R19.2 U1.2 U2.2 U3.1 | length 277.8
  Top Layer w0.3: 109.029,51.346 U1.2@109.944,51.346 ; v1@111.836,144.323 v1(111.838,144.321) U2.2@112.605,144.321 ; R19.2@114.617,71.12 114.617,69.939 115.57,68.986 131.703,68.986 133.125,67.564 v2(144.501,67.564)
  Top Layer w0.8: C14.1@107.493,142.237 C13.1@107.493,144.402 ; C12.1@109.652,144.402 109.731,144.323 v1(111.125,144.323) v1@111.836,144.323 ; v2(145.059,145.288) v2@145.062,145.285 ; v2(154.219,86.868) 154.346,86.995 U3.1@157.226,86.995 ; v2@154.683,76.957 v2(154.686,76.96)
  Top Layer w1: 103.02,51.311 C2.1@104.705,51.311 C1.1@104.705,49.146 103.031,49.146 ; C2.1@104.74,51.346 109.029,51.346 ; C13.1@107.493,144.402 C12.1@109.652,144.402 ; v1(113.132,71.12) R19.2@114.617,71.12 ; C23.2@145.166,76.96 147.828,76.96 C25.2@150.368,76.96 v2(152.4,76.96)
  Top Layer w1.2: 147.574,73.749 147.828,74.003 147.828,76.96 C24.2@147.828,76.965
  Top Layer w1.5: C76.1@147.574,70.612 147.574,73.749
  Top Layer w2: 148.59,61.976 148.59,69.596 C76.1@147.574,70.612 C77.1@153.797,70.612
  Mid-Layer 2 w1: v2@145.085,143.027 v2(145.059,143.002) 145.059,88.824 138.76,82.525 138.76,77.165 139.7,76.225 144.043,76.225 144.778,76.96 v2(152.4,76.96)
  Mid-Layer 3 w0.8: v1(111.125,144.323) 116.205,144.323 116.586,144.704 134.239,144.704 135.357,145.821 138.379,145.821 139.497,144.704 v2(144.17,144.704)
  Mid-Layer 4 w1: 111.684,68.021 113.132,69.469 v1(113.132,71.12)
  Mid-Layer 4 w3: 102.438,50.241 102.438,63.754 106.858,68.174 110.719,68.174 114.224,64.668 121.622,64.668 125.127,68.174 131.216,68.174 132.486,66.904 146.558,66.904
  Bottom Layer w1: v2(152.4,76.96) 152.4,85.049 v2(154.219,86.868)
  other v2: 100.355,49.586 101.473,49.586 102.591,49.586 100.33,50.856 101.448,50.856 102.565,50.856 144.526,66.294 145.644,66.294 146.761,66.294 145.618,67.564 146.736,67.564 153.543,76.96 152.959,77.849 154.102,77.849 144.17,142.418 144.17,143.561 145.059,144.145
PROTEC_RAIL: C79.2 Q17.3 Q18.3 Q19.3 Q20.3 Q21.3 Q22.3 | length 61.8
  Top Layer w0.15: Q18.3@7.514,52.803 7.514,52.11 v1(8.021,51.603) ; Q21.3@9.047,43.053 9.74,43.053 v1(10.247,43.56) ; Q19.3@10.181,52.803 10.181,52.11 v1(10.688,51.603) ; Q20.3@14.043,52.803 14.043,52.11 v1(14.55,51.603) 15.042,51.111 C79.2@16.51,51.111
  Top Layer w0.25: v1(14.831,73.914) 18.965,73.914 19.274,73.605 Q22.3@19.274,72.771 ; v1(20.955,74.143) 21.438,74.143 21.814,73.766 Q17.3@21.814,72.771
  Mid-Layer 4 w0.15: v1(8.021,51.603) 8.021,52.217 8.636,52.832 10.033,52.832 10.688,52.177 v1(10.688,51.603) ; v1(10.247,43.56) 10.247,51.162 v1(10.688,51.603) ; v1(14.55,51.603) 14.55,51.507 13.97,50.927 11.364,50.927 v1(10.688,51.603)
  Bottom Layer w0.25: v1(14.55,51.603) 16.764,53.817 16.764,71.981 ; v1(14.831,73.914) 16.764,71.981 ; v1(20.955,74.143) 20.549,74.549 19.332,74.549 16.764,71.981
PWR_OK: P2.B24 R23.2 U4.11 U8.2 | length 147.5
  Top Layer w0.2: U8.2@20.889,146.028 22.33,146.028 22.733,146.431 32.258,146.431 32.791,145.898 v1(37.236,145.898) ; P2.B24@48.052,108.11 v1(48.052,109.342)
  Top Layer w0.25: R23.2@114.554,90.052 117.843,90.052 118.527,89.368 U4.11@118.527,87.768
  Mid-Layer 2 w0.2: v1(37.236,145.898) 37.236,144.45 48.052,133.634 v1(48.052,109.342) ; v1(101.981,110.363) 103.759,108.585 103.759,102.286 116.002,90.043 v1(116.51,90.043)
  Mid-Layer 3 w0.2: v1(48.052,109.342) 48.733,108.661 91.288,108.661 93.878,111.252 101.727,111.252 101.981,110.998 v1(101.981,110.363)
RB6: J9.3 U19.16 | length 9.1
  Top Layer w0.2: J9.3@59.309,158.623 59.309,156.31 60.979,154.64 U19.16@60.979,150.249
RB7: J9.4 U19.17 | length 15.2
  Top Layer w0.2: U19.17@60.179,150.249 60.179,153.841 58.191,155.829 58.191,159.512 58.75,160.071 61.519,160.071 61.849,159.741 J9.4@61.849,158.623
RS232.SER0_RX_1: P2.A99 R115.2 | length 80.5
  Top Layer w0.15: R115.2@82.861,25.273 82.861,27.362 83.693,28.194 v1(85.598,28.194) ; P2.A99@85.552,102.71 85.552,101.625 85.369,101.443 85.369,100.152 v1(86.081,99.441)
  Mid-Layer 2 w0.15: v1(85.598,28.194) 85.319,28.473 85.319,97.942 86.081,98.704 v1(86.081,99.441)
RS232.SER0_TX_1: P2.A98 Q30.1 R113.2 | length 92.6
  Top Layer w0.15: v1(84.785,24.663) 85.623,24.663 86.233,25.273 89.027,25.273 90.424,23.876 93.345,23.876 93.599,24.13 93.599,25.203 R113.2@93.529,25.273
  Top Layer w0.2: v1(84.785,99.39) 84.785,101.575 85.052,101.841 P2.A98@85.052,102.71
  Top Layer w0.25: R113.2@93.529,25.273 96.923,25.273 Q30.1@97.039,25.157
  Mid-Layer 2 w0.15: v1(84.785,24.663) v1(84.785,99.39)
SATA0_RX_N: J6.25 P2.A20 | length 69.5
  Top Layer w0.21: J6.25@45.176,42.003 46.304,42.003 46.486,42.185 47.444,42.185 48.061,42.802 48.061,46.398 46.453,48.006 44.223,48.006 41.483,50.746 41.483,69.439 40.97,69.952 40.97,90.703 46.057,95.79 46.057,101.993 46.052,101.998 P2.A20@46.052,102.71
SATA0_RX_P: J6.23 P2.A19 | length 69.5
  Top Layer w0.21: J6.23@45.176,42.803 46.304,42.803 46.562,42.545 47.295,42.545 47.701,42.951 47.701,43.68 cw(c47.701,44.135) 47.701,44.59 47.701,46.249 46.304,47.646 44.073,47.646 41.123,50.597 41.123,69.29 40.61,69.802 40.61,90.853 45.697,95.939 45.697,101.843 45.543,101.998 P2.A19@45.543,102.701
SATA0_TX_N: J6.31 P2.A17 | length 74.2
  Top Layer w0.21: v1(40.711,49.428) 40.711,49.904 40.491,50.124 40.491,68.398 39.827,69.063 39.827,91.6 44.557,96.33 P2.A17@44.557,102.71 ; J6.31@45.197,39.624 46.283,39.624 46.449,39.458 47.147,39.458 47.367,39.678 v1(47.828,39.678)
  Bottom Layer w0.21: v1(40.711,49.428) 40.711,48.894 40.515,48.698 40.515,47.75 42.037,46.228 43.688,46.228 45.75,44.166 45.75,43.122 cw(c45.75,42.817) 45.75,42.512 45.75,41.902 cw(c45.75,41.597) 45.75,41.292 45.75,40.001 46.355,39.395 47.104,39.395 47.387,39.678 v1(47.828,39.678)
SATA0_TX_P: J6.33 P2.A16 | length 74.2
  Top Layer w0.21: v1(39.911,49.428) 39.911,49.901 40.131,50.121 40.131,68.249 39.467,68.913 39.467,91.749 44.197,96.479 44.197,101.726 44.042,101.881 44.042,102.7 P2.A16@44.052,102.71 ; J6.33@45.176,38.803 46.304,38.803 46.599,39.098 47.168,39.098 47.388,38.878 v1(47.828,38.878)
  Bottom Layer w0.21: v1(39.911,49.428) 39.911,48.984 40.155,48.741 40.155,47.601 41.888,45.868 43.539,45.868 45.39,44.017 45.39,39.851 46.206,39.035 47.092,39.035 47.249,38.878 v1(47.828,38.878)
SATA1_RX_N: P2.B20
SATA1_RX_P: P2.B19
SATA1_TX_N: P2.B17
SATA1_TX_P: P2.B16
SENSOR1_IN: C40.2 D11.K R49.1 R50.2 U19.20 | length 153.9
  Top Layer w0.2: v1(57.582,152.451) 57.582,151.816 57.779,151.619 U19.20@57.779,150.249
  Top Layer w0.25: v1(170.459,135.738) 170.612,135.738 170.619,135.745 170.917,135.745 171.304,135.358 R50.2@171.304,134.493 171.304,133.274 170.856,132.826 D11.K@170.856,132.277 170.856,131.334 171.304,130.886 C40.2@171.304,130.118 173.482,130.118 R49.1@173.609,130.245
  Mid-Layer 3 w0.25: v1(55.423,136.677) 56.032,136.068 59.055,136.068 59.588,135.534 59.588,134.493 61.138,132.944 82.067,132.944 84.582,130.429 103.327,130.429 109.499,136.601 125.451,136.601 127.94,134.112 131.42,134.112 134.899,130.632 161.773,130.632 167.64,136.5 169.697,136.5 v1(170.459,135.738)
  Bottom Layer w0.25: v1(55.423,136.677) 57.582,138.836 v1(57.582,152.451)
SENSOR2_IN: C41.2 D12.K R54.1 R57.2 U19.21 | length 160.8
  Top Layer w0.2: v1(56.569,152.451) 56.979,152.041 U19.21@56.979,150.249
  Top Layer w0.25: v1(173.406,122.199) 172.992,121.786 R57.2@171.38,121.786 171.38,120.608 171.253,120.481 C41.2@171.253,117.411 173.471,117.411 173.609,117.549 173.609,118.116 R54.1@173.736,118.243
  Mid-Layer 2 w0.2: v1(56.569,152.451) 56.569,136.344 56.261,136.036 56.261,133.071 58.42,130.912 v1(58.42,127.33)
  Mid-Layer 3 w0.2: v1(58.42,127.33) 59.45,126.3 92.837,126.3 92.851,126.314 98.453,126.314 108.42,116.347 125.641,116.347 126.408,117.114 134.386,117.114 137.033,119.761 144.78,119.761 147.853,122.834 155.219,122.834 155.854,122.199 v1(173.406,122.199)
SENSOR3_IN: C42.2 D13.K R59.1 R60.2 U19.22 | length 165.9
  Top Layer w0.15: R60.2@170.872,109.734 v1(172.06,109.734)
  Top Layer w0.2: v1(55.804,152.019) 56.179,151.644 U19.22@56.179,150.249
  Top Layer w0.25: D13.K@170.856,107.252 D13.K@170.872,107.252 ; C42.2@170.872,104.966 D13.K@170.872,107.252 ; R60.2@170.872,109.734 D13.K@170.872,107.252 ; R59.1@173.736,106.95 172.196,106.95 171.894,107.252 D13.K@170.872,107.252
  Mid-Layer 3 w0.15: v1(55.931,124.892) 57.252,123.571 71.247,123.571 78.562,116.256 89.433,116.256 90.373,115.316 105.08,115.316 106.223,114.173 106.223,112.192 107.34,111.074 129.159,111.074 132.283,107.95 139.065,107.95 141.783,110.668 150.241,110.668 151.175,109.734 v1(172.06,109.734)
  Bottom Layer w0.15: v1(55.804,152.019) 55.804,145.796 56.718,144.882 56.718,141.072 54.331,138.684 54.331,136.093 55.931,134.493 v1(55.931,124.892)
SENSOR4_IN: C43.2 D14.K R62.1 R63.2 U19.24 | length 175.5
  Top Layer w0.15: v1(52.172,147.574) 52.197,147.599 U19.24@54.329,147.599
  Top Layer w0.25: R63.2@170.872,93.851 170.872,94.983 170.672,95.183 D14.K@170.672,96.01 170.672,96.758 170.872,96.958 C43.2@170.872,98.296 171.579,98.296 v1(172.191,97.684) 172.476,97.399 R62.1@173.736,97.399
  Mid-Layer 3 w0.15: v1(53.797,121.818) 53.746,121.768 53.746,117.221 55.626,115.341 60.452,115.341 62.636,113.157 97.028,113.157 97.282,112.903 102.1,112.903 102.108,112.911 102.856,112.163 102.856,110.631 105.156,108.331 108.796,108.331 109.982,107.145 109.982,99.822 110.602,99.202 112.661,99.202 113.007,98.857 131.369,98.857 135.687,94.539 151.943,94.539 152.07,94.412 167.107,94.412 170.378,97.684 v1(172.191,97.684)
  Bottom Layer w0.15: v1(52.172,147.574) 52.172,147.117 53.797,145.491 v1(53.797,121.818)